# Altium PCB SolderingStation_ASCII.PcbDoc (part 1 of 2) (continued)
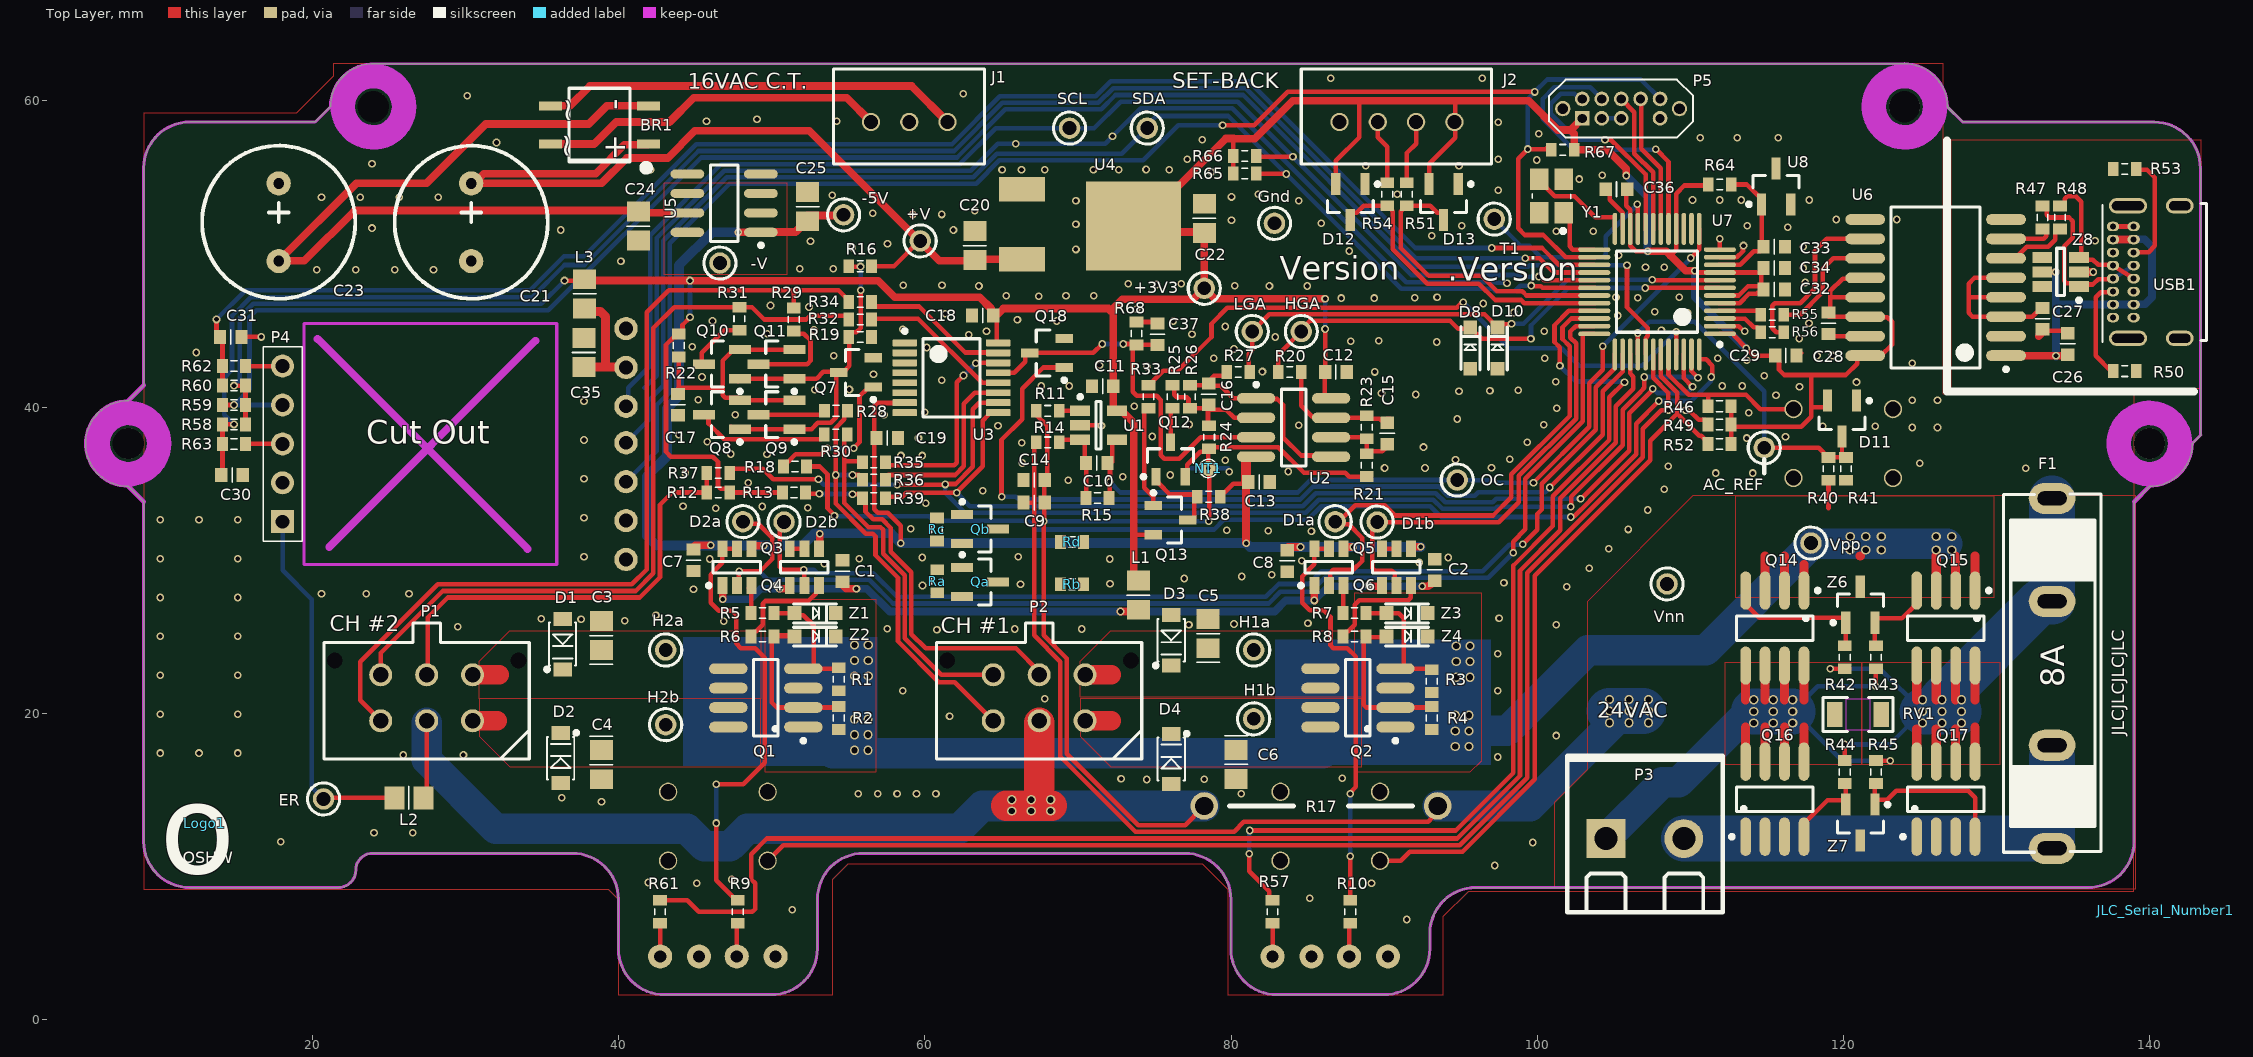
[diagram p0: Top Layer view]
## Components (designator, comment, footprint, x,y, rotation, side; value= is the part's Value field where it differs from the comment) (continued)
OC "Overcurrent" "PCBPIN - 0.9MM" 94.767,35.23 r0 top
OLED1 "OLED_Display" "OLED_DISPLAY_128X64_2.4INCH - NO MOUNTING HOLES" 73.976,37.617 r0 bottom locked
P1 "MOLEX-43045-0612" MOLEX-43045-0612 27.456,21.009 r0 top locked
P2 "MOLEX-43045-0612" MOLEX-43045-0612 67.461,21.009 r0 top locked
P3 "Terminal2" MOLEX-39544-3002 104.482,11.812 r270 top
P4 "Header, 5-Pin" HDR1X5S 18.046,32.513 r90 top locked
P5 "SWD Connector 2x5-Pin" SWD-2X5-JIG-HEADER 102.932,58.855 r0 top
Q1 "DMP4025LSD-13" SO-8_M 49.607,21.009 r90 top
Q2 "DMP4025LSD-13" SO-8_M 88.277,21.009 r90 top locked
Q3 "IMD2AT108" "SOT457_N - MIRROR" 47.713,29.54 r90 top
Q4 "IMD2AT108" "SOT457_N - MIRROR" 52.121,29.54 r90 top
Q5 "IMD2AT108" "SOT457_N - MIRROR" 86.383,29.54 r90 top
Q6 "IMD2AT108" "SOT457_N - MIRROR" 90.791,29.54 r90 top
Q7 "MMBT3904LT1G" SOT23_N 55.499,42.266 r0 top
Q8 "BSS84" SOT23_M 46.748,39.498 r0 top
Q9 "BSS84" SOT23_M 50.304,39.498 r0 top
Q10 "BSS84" SOT23_M 46.748,42.8 r0 top
Q11 "BSS84" SOT23_M 50.304,42.8 r0 top
Q12 "BSH103" SOT23_N 76.048,36.576 r270 top
Q13 "MMBT3906LT1G" SOT23_N 76.048,32.614 r180 top
Q14 "FDS4675" SO-8_M 115.505,25.565 r180 top
Q15 "FDS4675" SO-8_M 126.681,25.565 r180 top
Q16 "FDS4672A" SO-8_M 115.505,14.389 r0 top
Q17 "FDS4672A" SO-8_M 126.681,14.389 r0 top
Q18 "BSH103" SOT23_N 67.97,43.536 r0 top
Qa "DNP" SOT23_M 63.601,28.575 r180 top
Qb "DNP" SOT23_M 63.601,32.029 r180 top
R1 "4.7k" CR1608-0603_N 54.368,22.226 r270 top
R2 "4.7k" CR1608-0603_N 54.368,19.686 r270 top
R3 "4.7k" CR1608-0603_N 93.103,22.099 r270 top
R4 "4.7k" CR1608-0603_N 93.103,19.686 r270 top
R5 "4.7k" CR1608-0603_N 49.389,26.544 r0 top
R6 "4.7k" CR1608-0603_N 49.389,25.02 r0 top
R7 "4.7k" CR1608-0603_N 88.059,26.544 r0 top
R8 "4.7k" CR1608-0603_N 88.059,25.02 r0 top
R9 "470R" CR1608-0603_N 47.776,7.039 r90 top
R10 "470R" CR1608-0603_N 87.781,7.039 r90 top
R11 "10K" CR1608-0603_N 68.021,39.751 r180 top
R12 "10k" CR1608-0603_N 46.494,34.418 r0 top
R13 "10k" CR1608-0603_N 51.447,34.418 r180 top
R14 "10k" CR1608-0603_N 68.021,37.694 r180 top
R15 "22k" CR1608-0603_N 71.272,34.061 r0 top
R16 "10K" CR1608-0603_N 55.765,49.2 r180 top
R17 "OAR3-R050FI" OAR3-R050FI 85.864,13.946 r180 top
R18 "10K" CR1608-0603_N 51.511,36.119 r0 top
R19 "22K" CR1608-0603_N 55.765,44.577 r180 top
R20 "0R" CR1608-0603_N 83.82,42.291 r0 top
R21 "1k" CR1608-0603_N 88.861,36.208 r270 top
R22 "10R" CR1608-0603_N 43.917,44.018 r270 top
R23 "56k" CR1608-0603_N 88.861,38.674 r90 top
R24 "10k" CR1608-0603_N 78.56,38.027 r90 top
R25 "5.1k" CR1608-0603_N 76.175,40.665 r270 top
R26 "10k" CR1608-0603_N 77.318,40.665 r90 top
R27 "0R" CR1608-0603_N 80.467,42.291 r180 top
R28 "22k" CR1608-0603_N 54.19,39.752 r180 top
R29 "22k" CR1608-0603_N 51.435,45.72 r270 top
R30 "22k" CR1608-0603_N 54.178,38.202 r180 top
R31 "22k" CR1608-0603_N 47.879,45.771 r270 top
R32 "3.3K" CR1608-0603_N 55.765,45.721 r180 top
R33 "10K" CR1608-0603_N 74.6,40.665 r90 top
R34 "3.3K" CR1608-0603_N 55.765,46.864 r180 top
R35 "3.3K" CR1608-0603_N 56.667,36.398 r180 top
R36 "3.3K" CR1608-0603_N 56.667,35.255 r180 top
R37 "10K" CR1608-0603_N 46.494,35.688 r0 top
R38 "22K" CR1608-0603_N 78.537,34.138 r180 top
R39 "10K" CR1608-0603_N 56.667,34.037 r0 top
R40 "15K" CR1608-0603_N 119.011,35.961 r90 top
R41 "4.3k" CR1608-0603_N 120.154,35.961 r90 top
R42 "4.3k" CR1608-0603_N 120.077,23.66 r90 top
R43 "4.3k" CR1608-0603_N 122.109,23.66 r90 top
R44 "4.3k" CR1608-0603_N 120.077,16.167 r90 top
R45 "4.3k" CR1608-0603_N 122.109,16.167 r90 top
R46 "10K" CR1608-0603_N 111.899,40.057 r0 top
R47 "33R" CR1608-0603_N 132.993,52.378 r90 top
R48 "33R" CR1608-0603_N 134.136,52.378 r90 top
R49 "10K" CR1608-0603_N 111.899,38.863 r0 top
R50 "5.1k" CR1608-0603_N 138.365,42.345 r0 top
R51 "1K" CR1608-0603_N 91.464,53.902 r90 top
R52 "10K" CR1608-0603_N 111.899,37.593 r0 top
R53 "5.1k" CR1608-0603_N 138.365,55.553 r180 top
R54 "1K" CR1608-0603_N 90.194,53.902 r90 top
R55 "33R" CR1608-0603_N 115.34,46.028 r180 top
R56 "33R" CR1608-0603_N 115.34,44.885 r180 top
R57 "470R" CR1608-0603_N 82.701,7.039 r270 top
R58 "10K" CR1608-0603_N 14.871,38.863 r0 top
R59 "10K" CR1608-0603_N 14.871,40.133 r0 top
R60 "10K" CR1608-0603_N 14.871,41.403 r0 top
R61 "470R" CR1608-0603_N 42.696,7.039 r90 top
R62 "33R" CR1608-0603_N 14.871,42.673 r180 top
R63 "33R" CR1608-0603_N 14.871,37.593 r180 top
R64 "1K" CR1608-0603_N 111.911,54.537 r0 top
R65 "4.7k" CR1608-0603_N 80.885,55.246 r180 top
R66 "4.7k" CR1608-0603_N 80.885,56.389 r180 top
R67 "10K" CR1608-0603_N 101.662,56.798 r0 top
R68 "1M" CR1608-0603_N 73.812,44.806 r270 top
Ra "DNP" CR1608-0603_N 60.808,28.626 r270 top
Rb "DNP" CR1608-0603_N 69.6,28.423 r0 top
Rc "DNP" CR1608-0603_N 60.782,32.004 r270 top
Rd "DNP" CR1608-0603_N 69.6,31.191 r0 top
RV1 "V33MLA1206NHAUTO" VR3216-1206 120.94,19.917 r180 top
S1 "SW_PB-B3F1052" SW_MIN_PB-B3F1052 119.976,37.617 r180 bottom locked
S2 "SW_PB-B3F1052" SW_MIN_PB-B3F1052 46.476,12.617 r0 bottom locked
S3 "SW_PB-B3F1052" SW_MIN_PB-B3F1052 86.476,12.617 r0 bottom locked
SC1 "B32-2010" SW-CAP-B32-2010 119.976,37.617 r180 bottom locked
SC2 "B32-2010" SW-CAP-B32-2010 46.476,12.617 r180 bottom locked
SC3 "B32-2010" SW-CAP-B32-2010 86.476,12.617 r180 bottom locked
SCL "SCL" "PCBPIN - 0.9MM" 69.444,58.217 r90 top
SDA "SDA" "PCBPIN - 0.9MM" 74.524,58.217 r90 top
SP1 "6MM Spacer" "SPACER-2MM DIA X 6MM" 7.976,37.617 r180 bottom locked
SP2 "6MM Spacer" "SPACER-2MM DIA X 6MM" 23.976,59.617 r180 bottom locked
SP3 "6MM Spacer" "SPACER-2MM DIA X 6MM" 139.976,37.617 r180 bottom locked
SP4 "6MM Spacer" "SPACER-2MM DIA X 6MM" 123.976,59.617 r180 bottom locked
T1 "PTA4" "PCBPIN - 0.9MM" 97.18,52.273 r0 top
U1 "MCP6001UT-I/OT" SOT23-5_M 71.335,38.813 r180 top
U2 "TLV2186" SOIC127P600-8M 84.08,38.662 r0 top
U3 "74HC4052PW-Q100,11" TSSOP16_M 61.734,41.911 r0 top
U4 "NCP1117DT33T5G" TO-252 69.989,51.944 r180 top
U5 "MC79L05ACD" SOIC127P600-8N 46.887,53.316 r180 top
U6 "ADuM4160BRIZ" SOIC127P1030-16M 126.008,47.806 r180 top
U7 "MK20DX128VLF5" TSQFP50P900X900-48M 107.816,47.535 r90 top locked
U8 "LM4040BIM3-3.0/NOPB" SOT23_M 115.594,54.41 r270 top
USB1 "USB4085-GF-A" USB4085-GF-A 139.776,48.817 r180 top locked
Vnn "Power Ground" "PCBPIN - 0.9MM" 108.47,28.449 r90 top
Vpp "Power +V" "PCBPIN - 0.9MM" 117.868,31.116 r90 top
Y1 "16 MHz" CRYSTAL_SMD_3.2X2.5 100.916,53.785 r90 top
Z1 "BZT52C12S-7-F" SOD-323 52.818,26.544 r180 top
Z2 "BZT52C12S-7-F" SOD-323 52.818,25.02 r180 top
Z3 "BZT52C12S-7-F" SOD-323 91.488,26.544 r180 top
Z4 "BZT52C12S-7-F" SOD-323 91.488,25.02 r180 top
Z6 "DZ23C12" SOT23_M 121.093,27.089 r270 top
Z7 "AZ23C7V5" SOT23_M 121.093,12.865 r90 top
Z8 "CM1293A-04SO" "SOT457_M - 180" 134.174,48.822 r0 top

## Footprints (in the part's own frame and the unit in brackets; to place one, negate y for a bottom-side part, rotate by r counter-clockwise, add the part's x,y. Pads: shape width x height; smd on the part's side, far side on the other; paste and mask are expansions set on the pad)
CC2012-0805 [mm]
  rect 1.3x1.5 smd: 1(-0.95,0) 2(0.95,0)
  silkscreen extent -1.87,-0.75 0,0.75
CCNP1608-0603_N [mm]
  rect 0.8x0.9 smd: 1(-0.7,0) 2(0.7,0)
  silkscreen extent 0,-0.48 0,0.48
CCNP2012-0805 [mm]
  rect 1.3x1.5 smd: 1(-0.95,0) 2(0.95,0)
  silkscreen extent 0,-0.75 0,0.75
CR1608-0603_N [mm]
  rect 0.7x0.9 smd: 1(-0.75,0) 2(0.75,0)
  silkscreen extent -0.2,-0.35 0.2,0.35
CRYSTAL_SMD_3.2X2.5 [mm] "Crystal SMT low profile 3.2 x 2.5 SMD"
  rect 1.4x1.2 smd: 1(-1.1,-0.8) 2(1.1,-0.8) 3(1.1,0.8) 4(-1.1,0.8)
  silkscreen extent -2.39,-1.25 0.15,1.25
FB2012-0805 [mm] "Ferrite Bead 0805"
  rect 1.3x1.5 smd: 1(-0.95,0) 2(0.95,0)
  silkscreen extent 0,-0.75 0,0.75
FUSE_CLIP_5X20 [mil] "Fuse clip for 5x20 mm fuse PCB mounted"
  oval 80x120 hole 36 slot 75 at 90 deg: 1(-450,0) 1a(-185,0) 2(450,0) 2a(185,0)
  silkscreen extent -460,-126 461,125
HDR1X5S [mm] "Header; 5 Position; Straight"
  rect 1.5x1.5 hole 0.9: 1(0,0)
  round 1.5 hole 0.9: 2(2.54,0) 3(5.08,0) 4(7.62,0) 5(10.16,0)
  silkscreen extent -1.27,-1.27 11.43,1.27
JLC_SERIAL_NUMBER [mm] "JLC Serial Number"
JST-B3B-XH-AX [mm] "JST 3-pin connector PCB mount"
  round 1.2 hole 0.9: 1(-2.5,0) 2(0,0) 3(2.5,0)
  silkscreen extent -4.92,-3.45 4.95,2.75
JST-B4B-XH-AX [mm] "JST 4-pin connector PCB mount"
  round 1.2 hole 0.9: 1(-3.75,0) 2(-1.25,0) 3(1.25,0) 4(3.75,0)
  silkscreen extent -6.17,-3.45 6.25,2.75
"LED3MM-GREEN - 10MM PROUD" [mil] "LED 3mm through-hole"
  round 62 hole 31.5: A(-50,0) K(50,0)
  silkscreen extent -58,-75 53,75
"LED3MM-RED - 10MM PROUD" [mil] "LED 3mm through-hole"
  round 62 hole 31.5: A(-50,0) K(50,0)
  silkscreen extent -58,-75 53,75
MB1S [mm] "Bridge Rectifier Diode, Single Phase, 100 V, 800 mA, SOIC, 1.1 V, 4 Pins"
  rect 1.5x0.6 smd: 1(-3.2,1.25) 2(-3.2,-1.25) 3(3.2,-1.25) 4(3.2,1.25)
  silkscreen extent -3.25,-2.4 2,2.99
MOLEX-39544-3002 [mm] "Wire-To-Board Terminal Block"
  rect 2.54x2.54 hole 1.5: 1(0,0)
  round 2.54 hole 1.5: 2(0,5.08)
  silkscreen extent -5.4,-2.54 4.83,7.62
MOLEX-43045-0612 [mm] "Wire-To-Board Connector, With Polarizing Peg, 3 mm, 6 Contacts, Header, Micro-Fit 3.0 43045 Series"
  round 0.8 hole 1.02: 0(-6,2.44) 0(6,2.44)
  round 1.5 hole 1.02: 1(3,-1.5) 2(0,-1.5) 3(-3,-1.5) 4(3,1.5) 5(0,1.5) 6(-3,1.5)
  silkscreen extent -6.7,-4 6.7,4.9
NETTIEVIA [mm] "Net Tie (Short)"
  round 1 smd far side: 1(0,0)
  round 1 smd: 2(0,0)
  silkscreen extent -0.6,-0.6 0.6,0.6
OAR3-R050FI [mm] "Current Sense Resistor, 0.05 ohm, OAR Series, 3 W, Metal Strip, Radial Leaded, ± 1%"
  round 1.8 hole 1.2: 1(-7.62,0) 2(7.62,0)
  silkscreen extent -6,0 6,0
"OLED_DISPLAY_128X64_2.4INCH - NO MOUNTING HOLES" [mm] "2.4 inch OLED Display"
  round 1.524 hole 0.9: 1(-33.5,7.572) 2(-33.5,5.032) 3(-33.5,2.492) 4(-33.5,-0.048) 5(-33.5,-2.428) 6(-33.5,-4.968) 7(-33.5,-7.508)
  silkscreen extent -36,-21.5 36,21.5
OSHW [mm] "OSHW Logo"
"PCBPIN - 0.9MM" [mm]
  round 1.4 hole 0.9: 1(0,0)
  silkscreen extent -1.05,-1.05 1.05,1.05
RB5/10X13MM [mil]
  round 62 hole 28: 1(-100,0) 2(100,0)
  silkscreen extent -197,-197 197,197
SO-8_M [mm] "8-Pin Small Outline Integrated Circuit 1.27 mm Pitch, IPC Low Density"
  oval 0.7x2.5 smd: 1(-1.905,-2.45) 2(-0.635,-2.45) 3(0.635,-2.45) 4(1.905,-2.45) 5(1.905,2.45) 6(0.635,2.45) 7(-0.635,2.45) 8(-1.905,2.45)
  silkscreen extent -2.93,-2.57 2.5,0.8
SOD-123FL [mil] "SOD-123-Flat , 2-Leads, Body 2.7x1.65mm"
  rect 36x48 smd: A(64.5,0) K(-64.5,0)
  silkscreen extent -70,-35 55,45
SOD-323 [mm]
  rect 0.9x0.9 smd: A(1.347,0.004) K(-1.353,0.004)
  silkscreen extent -1.4,-0.6 1.4,0.64
SOIC127P600-8M [mm] "SOIC, 8-Leads, Body 4.9x3.9mm, Pitch 1.27mm, IPC Low Density"
  oval 2.5x0.7 smd: 1(-2.45,1.905) 2(-2.45,0.635) 3(-2.45,-0.635) 4(-2.45,-1.905) 5(2.45,-1.905) 6(2.45,-0.635) 7(2.45,0.635) 8(2.45,1.905)
  silkscreen extent -2.57,-2.5 0.8,2.93
SOIC127P600-8N [mm] "SOIC, 8-Leads, Body 4.9x3.9mm, Pitch 1.27mm, IPC Medium Density"
  oval 2.2x0.6 smd: 1(-2.4,1.905) 2(-2.4,0.635) 3(-2.4,-0.635) 4(-2.4,-1.905) 5(2.4,-1.905) 6(2.4,-0.635) 7(2.4,0.635) 8(2.4,1.905)
  silkscreen extent -2.53,-2.5 0.9,2.88
SOIC127P1030-16M [mm] "SOIC, 16-Leads, Body 10.3x7.5mm, Pitch 1.27mm, IPC Low Density"
  oval 2.6x0.7 smd: 1(-4.6,4.445) 2(-4.6,3.175) 3(-4.6,1.905) 4(-4.6,0.635) 5(-4.6,-0.635) 6(-4.6,-1.905) 7(-4.6,-3.175) 8(-4.6,-4.445) 9(4.6,-4.445) 10(4.6,-3.175) 11(4.6,-1.905) 12(4.6,-0.635) 13(4.6,0.635) 14(4.6,1.905) 15(4.6,3.175) 16(4.6,4.445)
  silkscreen extent -4.72,-5.25 2.9,5.47
SOT23-5_M [mm] "SOT23, 5-Leads, Body 2.9x1.6mm, Pitch 0.95mm, Lead Span 2.7mm, IPC Low Density"
  rect 1.3x0.7 smd: 1(1.2,-0.95) 2(1.2,0) 3(1.2,0.95) 4(-1.2,0.95) 5(-1.2,-0.95)
  silkscreen extent -0.15,-1.97 1.32,1.55
SOT23_M [mm] "SOT23, 3-Leads, Body 2.9x1.3mm, Pitch 0.95mm, Lead Span 2.3mm - IPC Low Density"
  rect 1.45x0.6 smd: 1(1.175,-0.95) 2(1.175,0.95) 3(-1.175,0)
  silkscreen extent -0.7,-1.9 1.29,1.5
SOT23_N [mm] "SOT23, 3-Leads, Body 2.9x1.3mm, Pitch 0.95mm, Lead Span 2.3mm - IPC Medium Density"
  rect 1.15x0.6 smd: 1(1.125,-0.95) 2(1.125,0.95) 3(-1.125,0)
  silkscreen extent -0.7,-1.9 1.25,1.5
"SOT457_M - 180" [mm] "SOT23, 6-Leads, Body 2.9x1.5mm, Pitch 0.95mm, Lead Span 2.8mm, IPC Low Density"
  rect 1.3x0.7 smd: 1(1.2,-0.95) 2(1.2,0) 3(1.2,0.95) 4(-1.2,0.95) 5(-1.2,0) 6(-1.2,-0.95)
  silkscreen extent -0.25,-1.97 1.33,1.55
"SOT457_N - MIRROR" [mm] "SOT23, 6-Leads, Body 2.9x1.5mm, Pitch 0.95mm, Lead Span 2.8mm, IPC Medium Density"
  rect 1.1x0.65 smd: 1(-1.2,-0.95) 2(-1.2,0) 3(-1.2,0.95) 4(1.2,0.95) 5(1.2,0) 6(1.2,-0.95)
  silkscreen extent -1.32,-1.55 0.38,1.95
"SPACER-2MM DIA X 6MM" [mm]
  round 2 hole 2.05: 0(0,0)
  Top Layer keep-out circle w1.6: c0,0 r2
  Bottom Layer keep-out circle w1.6: c0,0 r2
  silkscreen extent -3,-3 3,3
SW-CAP-B32-2010 [mm] "Switch cap for small push-button switch 6mm dia."
  silkscreen extent -3,-3 3,3
SW_MIN_PB-B3F1052 [mm] "Miniature PCB Push Button projected plunger"
  round 1.2 hole 1: 1(3.25,-2.25) 1b(-3.25,-2.25) 2(3.25,2.25) 2b(-3.25,2.25)
  silkscreen extent -3,-2.77 3,2.78
SWD-2X5-JIG-HEADER [mm] "Connector; SWD; 2x5 Position"
  round 1 hole 0.7: 0(-1.27,0.635) 0(6.35,0.635)
  rect 0.96x0.96 hole 0.6: 1(0,0)
  round 0.96 hole 0.6: 2(0,1.27) 3(1.27,0) 4(1.27,1.27) 5(2.54,0) 6(2.54,1.27) 8(3.81,1.27) 9(5.08,0) 10(5.08,1.27)
  silkscreen extent -2.16,-1.26 7.24,2.53
TO-252 [mm] "TO-252 Package"
  rect 3x1.6 smd: 1(3.64,-2.285) 3(3.64,2.285)
  rect 6.2x5.8 smd: 4(-3.64,0.127)
TSQFP50P900X900-48M [mm] "Thin QFP, 48-Leads, Body 7x7mm, Pitch 0.5mm, IPC Low Density"
  oval 0.3x2.1 smd: 1(-2.75,-4.1) 2(-2.25,-4.1) 3(-1.75,-4.1) 4(-1.25,-4.1) 5(-0.75,-4.1) 6(-0.25,-4.1) 7(0.25,-4.1) 8(0.75,-4.1) 9(1.25,-4.1) 10(1.75,-4.1) 11(2.25,-4.1) 12(2.75,-4.1) 25(2.75,4.1) 26(2.25,4.1) 27(1.75,4.1) 28(1.25,4.1) 29(0.75,4.1) 30(0.25,4.1) 31(-0.25,4.1) 32(-0.75,4.1) 33(-1.25,4.1) 34(-1.75,4.1) 35(-2.25,4.1) 36(-2.75,4.1)
  oval 2.1x0.3 smd: 13(4.1,-2.75) 14(4.1,-2.25) 15(4.1,-1.75) 16(4.1,-1.25) 17(4.1,-0.75) 18(4.1,-0.25) 19(4.1,0.25) 20(4.1,0.75) 21(4.1,1.25) 22(4.1,1.75) 23(4.1,2.25) 24(4.1,2.75) 37(-4.1,2.75) 38(-4.1,2.25) 39(-4.1,1.75) 40(-4.1,1.25) 41(-4.1,0.75) 42(-4.1,0.25) 43(-4.1,-0.25) 44(-4.1,-0.75) 45(-4.1,-1.25) 46(-4.1,-1.75) 47(-4.1,-2.25) 48(-4.1,-2.75)
  silkscreen extent -3.57,-4.22 2.65,2.65
TSSOP16_M [mm] "SOP, 16-Leads, Body 5.1x4.5mm, Pitch 0.65mm, IPC Low Density"
  rrect22% 1.6x0.45 smd: 1(-3.05,2.275) 2(-3.05,1.625) 3(-3.05,0.975) 4(-3.05,0.325) 5(-3.05,-0.325) 6(-3.05,-0.975) 7(-3.05,-1.625) 8(-3.05,-2.275) 9(3.05,-2.275) 10(3.05,-1.625) 11(3.05,-0.975) 12(3.05,-0.325) 13(3.05,0.325) 14(3.05,0.975) 15(3.05,1.625) 16(3.05,2.275)
  silkscreen extent -3.17,-2.55 1.85,3.17
USB4085-GF-A [mm] "USB-C Connector"
  oval 0.8x0.62 hole 0.4: A1(2.18,2.975) A4(2.18,2.125) A5(2.18,1.275) A6(2.18,0.425) A7(2.18,-0.425) A8(2.18,-1.275) A9(2.18,-2.125) A12(2.18,-2.975) B1(0.83,-2.975) B4(0.83,-2.125) B5(0.83,-1.275) B6(0.83,-0.425) B7(0.83,0.425) B8(0.83,1.275) B9(0.83,2.125) B12(0.83,2.975)
  oval 1.8x1 hole 0.6 slot 1.4 at 0 deg: SH(-2.18,4.325) SH(-2.18,-4.325)
  oval 2.5x1 hole 0.6 slot 2.1 at 0 deg: SH(1.2,4.325) SH(1.2,-4.325)
  silkscreen extent -3.92,-4.47 2.88,4.57
VR3216-1206 [mm] "Varistor 1206"
  rect 1.02x1.65 smd: 1(-1.52,0) 2(1.52,0)
  Top Layer keep-out region: -0.8,-1 0.8,-1 0.8,1 -0.8,1
  silkscreen extent -2.3,-1.1 2.3,1.1

## Part data
+3V3 +V -5V -V AC_REF D1a D1b D2a D2b ER Gnd H1a H1b H2a H2b HGA LGA OC SCL SDA T1 Vnn Vpp: library part TP, "Test Point"
BR1: "Bridge Rectifier Diode, Single Phase, 100 V, 800 mA, SOIC, 1.1 V, 4 Pins"
C1 C2 C7 C8 C9 C11 C12 C13 C14 C17 C18 C19 C26 C27 C28 C29 C33 C34 C36: library part Cap_CCNP_0603_100nF, "Capacitor non-polar SMT 0603"
C3 C4 C5 C6: library part Cap_CC_0805, "Capacitor SMT 0805"
C10 C15 C16 C37: library part Cap_CCNP_0603_100pF, "Capacitor non-polar SMT 0603"
C20 C24: library part Cap_CCNP_0805_2u2F, "Capacitor non-polar SMT 0805"
C21 C23: library part Cap-RB5/10x16MM
C22 C25 C35: library part Cap_CCNP_0805_10uF, "Capacitor non-polar SMT 0805"
C30 C31: library part Cap_CCNP_0603_1nF, "Capacitor non-polar SMT 0603"
C32: library part Cap_CCNP_0603_2u2F, "Capacitor non-polar SMT 0603"
D1 D2 D3 D4: "Diodes - General Purpose, 1kV 1A 1.1V 1A SOD-123FL"
D5 D6: library part LED_3MM_GREEN, "3mm Green LED"
D8 D10: "Switching Diode 100V 150mA 1.25V@150mA 4ns SOD-323"
D11 D12 D13: "Dual Series low-leakage switching diodes, 3-Pin SOT-23"
D14 D15: library part LED_3MM_RED, "3mm Red LED"
F1: library part FUSE_CLIP_5x20, "5x20mm fuse clip PCB Mount"
J1: library part JST-B3B-XH-A
J2: library part JST-B4B-XH-A
L1 L2 L3: library part "Ferrite Bead 0805", "Ferrite Bead SMT 0805, TDK MPZ2012S102AT, 0.15OHM, 1.5A"
OLED1: library part OLED_Display_128x64_2.4inch, "OLED Display 128x64 pixels, 2.4inch"
P1 P2: "Wire-To-Board Connector, With Polarizing Peg, 3 mm, 6 Contacts, Header, Micro-Fit 3.0 43045 Series"
P3: "MULTICOMP  MC24366 Wire-To-Board Terminal Block"
P4: library part "Header 1x5"
P5: library part SWD2X5_JIG
Q1 Q2: "P-Channel dual MOSFET, 40 V, 7.6 A, 0.018 ohm, SOIC, Surface Mount"
Q3 Q4 Q5 Q6: "Pre-Biased NPN and PNP pair, 50 V, 100 mA, 22 kohm, 22 kohm"
Q7: "General Purpose Transistor, NPN Silicon, 3-Pin SOT-23, Pb-Free, Tape and Reel"
Q8 Q9 Q10 Q11: "P-Channel Enhancement Mode FET -0.13 A, -50 V,  RDS(ON) = 10R at VGS = -5 V"
Q12 Q18: "N-channel enhancement mode FET, , 30 V, 850 mA, 0.4 ohm, SOT23"
Q13: "General Purpose Transistor, PNP Silicon, 3-Pin SOT-23, Pb-Free, Tape and Reel"
Q14 Q15: "P-Channel Power MOSFET, 11 A, 40 V, RDS(ON) = 0.013 ohm @ VGS = -10   VRDS(ON) = 0.017 ohm @ VGS =   -4.5 VC"
Q16 Q17: "N-Channel Power MOSFET, 11 A, 40 V. RDS(ON)  = .013 ohm @ VGS = 4.5 V"
Qa Qb: library part MMBT3904LT1G, "SOT23"
R1 R2 R3 R4 R5 R6 R7 R8 R65 R66: library part Res_CR0603_4k7, "Resistor SMT 0603"
R9 R10 R57 R61: library part Res_CR0603_470R, "Resistor SMT 0603"
R11 R12 R13 R14 R16 R18 R24 R26 R33 R37 R39 R46 R49 R52 R58 R59 R60 R67: library part Res_CR0603_10k, "Resistor SMT 0603"
R15 R19 R28 R29 R30 R31 R38: library part Res_CR0603_22k, "Resistor SMT 0603"
R17: "Current Sense Resistor, 0.05 ohm, OAR Series, 3 W, Metal Strip, Radial Leaded, 1%"
R20 R27: library part Res_CR0603_0R, "Resistor SMT 0603"
R21 R51 R54 R64: library part Res_CR0603_1k, "Resistor SMT 0603"
R22: library part Res_CR0603_10R, "Resistor SMT 0603"
R23: library part Res_CR0603_56k, "Resistor SMT 0603"
R25 R50 R53: library part Res_CR0603_5k1, "Resistor SMT 0603"
R32 R34 R35 R36: library part Res_CR0603_3k3, "Resistor SMT 0603"
R40: library part Res_CR0603_15k, "Resistor SMT 0603"
R41 R42 R43 R44 R45: library part Res_CR0603_4k3, "Resistor SMT 0603"
R47 R48 R55 R56 R62 R63: library part Res_CR0603_33R, "Resistor SMT 0603"
R68: library part Res_CR0603_1M, "Resistor SMT 0603"
Ra Rb Rc Rd: library part Res_CR0603, "Resistor SMT 0603"
RV1: "V33MLA1206NH - TVS Varistor, 26 V, 33 V, MLA Series, 75 V, 1206 [3216 Metric], Multilayer Varistor (MLV)"
S1 S2 S3: "Switch miniature push-button"
SC1 SC2 SC3: library part "Switch-Cap - B32-2010", "Switch Cap"
SP1 SP2 SP3 SP4: library part Spacer-6mm
U1: "Op-Amp, Single supply R-R in/out"
U2: "Dual Precision,Rail-to-Rail Input and Output, 4.5-24V, Zero-Drift OperationalAmplifier"
U3: "Analog Multiplexer / Demultiplexer, 4:1, 2 Circuits, 225 ohm, 2V to 10V, TSSOP-16"
U4: "IC REG LINEAR +3V3 1A TO252-3"
U5: "IC REG LINEAR -5V 100MA SOIC-8"
U6: "Full/Low Speed 5 kV USB Digital Isolator"
U7: "Kinetis K20: 50MHz Cortex-M4 Performance MCU, 160KB Flash, 16KB SRAM, Full-Speed USB, 48-LQFP"
U8: library part LM4040BIM3-2.5/NOPB, "IC 2.5V VREF SHUNT 0.2% SOT23-3"
USB1: "USB-C, USB 2.0 Receptacle Connector 16 Position Through Hole, Right Angle"
Y1: library part "Crystal 16MHz", "Crystal SMD 3.2 x 2.5 x 0.7 mm"
Z1 Z2 Z3 Z4: "Surface Mount Zener Diode, 12-13 V, -65 to 150 degC, SOD-123"
Z6: library part DZ23Cxx, "Dual silicon planar Zener diodes"
Z7: library part AZ23Cxx, "Dual silicon planar Zener diodes"
Z8: "Ultra low capacitance quadruple rail-to-rail ESD protection"

## Via types
v1: diameter 0.5, hole 0.3, Top Layer to Bottom Layer, tented both sides, 433 vias
v2: diameter 0.6, hole 0.4, Top Layer to Bottom Layer, tented both sides, 67 vias
v3: diameter 0.75, hole 0.3, Top Layer to Bottom Layer, tented both sides, 1 vias

## Nets (pads, with @x,y where several pads share a name; then routed paths per layer and width w, separated by ;. In a path a pad name is that pad's centre, name@x,y a point inside that pad or via, vN(x,y) a via of type N, cw(c..) or ccw(c..) an arc to the next point about the centre after c; other vN are vias at no path point)
5V_USB: C26.2 U6.1 USB1.A4 USB1.A9 USB1.B4 USB1.B9 Z8.5 | length 24.4
  Top Layer w0.3: Z8.5@132.974,48.822 v1(133.863,48.822)
  Top Layer w0.508: U6.1@130.508,43.361 130.525,43.344 C26.2@134.499,43.344 ; C26.2@134.464,43.308 C26.2@134.499,43.344 ; C26.2@134.517,43.361 C26.2@134.499,43.344 ; C26.2@134.525,43.344 C26.2@134.499,43.344 ; USB1.A9@137.596,50.942 USB1.B4@138.945,50.942
  Bottom Layer w0.508: v1(133.863,48.822) 133.863,46.517 ; v1@133.87,43.308 133.87,46.51 133.863,46.517 ; USB1.A9@137.596,50.942 USB1.B4@138.945,50.942 ; USB1.B9@138.945,46.692 USB1.A4@137.596,46.692 134.038,46.692 133.863,46.517 ; USB1.B9@138.967,46.714 139.685,46.714 140.143,47.171 140.143,50.473 139.652,50.964 USB1.B4@138.967,50.964
  other v1: 133.87,43.343
+3V3: +3V3.1 C11.1 C12.1 C18.1 C22.2 C28.2 C29.2 C32.2 C34.2 C36.2 D11.2 D12.2 D13.2 J2.1 L1.1 L3.1 P5.1 Q13.2 R12.2 R13.2 R22.1 R46.2 R49.2 R52.2 R58.2 R59.2 R60.2 R64.1 R65.2 R66.2 R67.2 U1.5 U2.8 U3.16 U4.4 U6.12 U6.13 U6.14 U6.16 U7.1 U7.5 U7.6 U7.9 U7.16 U7.22 | length 265.4
  Top Layer w0.3: v1(14.871,41.403) R60.2@15.621,41.403 R59.2@15.621,40.133 R58.2@15.621,38.863 ; v1(36.461,48.261) L3.1@37.77,48.261 ; v1@44.642,45.861 44.642,45.837 44.163,45.358 44.163,44.968 43.963,44.768 R22.1@43.917,44.768 43.717,44.568 43.598,44.568 43.089,44.059 43.089,37.072 43.407,36.754 46.152,36.754 46.482,36.424 46.482,34.845 46.658,34.669 47.044,34.669 47.244,34.469 R12.2@47.244,34.418 R13.2@50.697,34.418 ; C18.1@64.616,45.975 64.684,45.907 U3.16@64.684,44.186 ; 73.621,33.02 73.635,33.02 ; 73.635,31.75 73.721,31.664 Q13.2@74.923,31.664 ; R65.2@80.135,55.246 R66.2@80.135,56.389 80.135,57.519 80.149,57.532 ; U2.8@86.117,40.585 C12.1@86.117,42.052 ; C12.1@86.131,42.067 v1(86.131,45.096) ; D12.2@86.831,54.519 D12.2@86.831,54.569 86.831,56.085 88.378,57.632 88.378,59.998 ; D13.2@92.927,54.519 D13.2@92.927,54.569 92.927,55.883 94.627,57.583 94.627,59.998 ; 95.829,59.981 95.846,59.998 ; C36.2@106.018,54.23 105.815,54.027 105.815,53.14 106.066,52.889 106.066,50.538 106.438,50.166 v1(107.2,50.166) ; 108.698,49.887 109.066,50.254 109.066,53.937 109.601,54.472 111.161,54.472 R64.1@111.161,54.437 ; v1@110.438,48.785 114.324,48.785 ; U7.5@111.866,46.785 113.217,46.785 113.82,47.389 114.326,47.389 114.617,47.679 114.416,47.88 113.753,47.88 113.158,47.285 112.816,47.285 U7.6@111.916,47.285 U7.6@111.866,47.285 ; U7.1@111.916,44.785 112.816,44.785 112.816,44.677 v1(113.651,43.842) 114.132,43.361 115.379,43.361 115.429,43.361 115.779,43.011 115.779,42.438 116.125,42.091 117.88,42.091 ; R52.2@112.649,37.771 R46.2@112.649,40.057 ; R49.2@112.661,38.916 112.854,38.723 117.233,38.723 117.88,39.37 117.88,40.006 ; C32.2@114.617,47.753 C34.2@114.617,49.076 ; D11.2@118.95,39.988 117.898,39.988 117.88,40.006 ; C28.2@119.011,45.901 U6.14@121.408,45.901 121.436,45.873 122.861,45.873 123.165,45.569 123.165,44.087 122.439,43.361 U6.16@121.408,43.361 121.017,43.361 120.879,43.223 120.879,42.829 120.141,42.091 117.88,42.091 ; C28.2@119.011,46.317 119.138,46.444 119.138,47.245 ; U6.12@120.808,48.441 120.75,48.384 119.936,48.384 119.138,47.586 119.138,47.245 ; U6.13@121.408,47.171 119.212,47.171 119.138,47.245 ; 117.88,40.006 117.88,42.091
  Top Layer w0.5: L3.1@37.77,48.346 37.856,48.26 v1(44.653,48.26) 44.661,48.252 56.955,48.252 58.039,47.168 63.584,47.168 64.316,46.437 64.316,46.225 C18.1@64.365,46.225 ; C18.1@64.616,45.975 64.666,45.975 65.121,46.431 67.691,46.431 ; 71.984,46.431 72.298,46.117 72.298,43.339 72.298,39.863 72.398,39.763 U1.5@72.535,39.763 72.635,39.663 72.935,39.663 73.635,38.963 73.635,33.02 73.635,31.75 L1.1@73.635,28.651 ; 80.149,57.532 81.546,57.532 84.012,59.998 88.378,59.998 94.627,59.998 95.846,59.998 99.426,59.998 101.331,58.093 102.17,58.093 ; P5.1@102.932,58.855 102.17,58.093 ; v1(105.803,55.119) 105.803,55.565 104.57,56.798 R67.2@102.412,56.798 102.412,57.851 102.17,58.093 ; v1(107.2,50.166) 108.419,50.166 108.698,49.887 109.689,48.896 v1(110.273,48.896)
  Top Layer w0.508: 67.691,46.431 71.984,46.431 ; 72.136,46.279 72.898,47.041 77.531,47.041 +3V3.1@78.244,47.753 ; U4.4@74.01,51.436 78.183,51.436 C22.2@78.244,51.375 +3V3.1@78.244,47.753 ; U4.4@76.572,54.463 79.641,57.532 80.149,57.532 ; C12.1@86.117,42.052 C12.1@86.131,42.067 ; v1(86.131,47.08) 78.917,47.08 +3V3.1@78.244,47.753
  Top Layer w0.635: U2.8@86.117,40.585 86.134,40.567 U2.8@86.48,40.567
  Bottom Layer w0.3: v1(14.871,41.403) 15.252,41.784 15.252,45.848 16.141,46.737 34.937,46.737 v1(36.461,48.261) ; v1(44.653,45.872) v1(44.653,48.26) ; v1(86.131,45.096) v1(86.131,47.08)
  Bottom Layer w0.5: v1(110.273,48.896) 110.273,47.16 113.591,43.842 v1(113.651,43.842)
  Bottom Layer w0.508: v1(105.803,55.119) 107.2,53.722 v1(107.2,50.166)
+3V3_I: C1.1 C2.1 L1.2 Q3.3 Q4.3 Q5.3 Q6.3 | length 53.8
  Top Layer w0.5: Q3.3@46.763,28.34 46.787,28.316 v1(46.787,27.457) ; v1(50.495,28.143) 51.096,28.143 51.171,28.218 Q4.3@51.171,28.34 ; C1.1@54.61,28.436 54.61,28.393 54.86,28.143 v1(55.524,28.143) ; v1(72.771,26.645) L1.2@73.708,26.645 ; Q5.3@85.433,28.34 v1(85.433,27.369) v1@85.446,27.356 ; v1(89.027,28.296) 89.796,28.296 Q6.3@89.841,28.34 ; v1(92.481,28.296) 92.874,28.296 92.969,28.39 93.019,28.39 93.269,28.64 C2.1@93.269,28.69
  Bottom Layer w0.5: v1(46.787,27.457) 48.59,27.457 49.276,28.143 v1(50.495,28.143) v1(55.524,28.143) 56.198,28.143 57.696,26.645 v1(72.771,26.645) 82.855,26.645 83.579,27.369 v1(85.433,27.369) 86.36,28.296 v1(89.027,28.296) v1(92.481,28.296)
+9V: +V.1 BR1.1 C20.2 C21.1 R16.1 U4.3 | length 57.2
  Top Layer w0.3: R16.1@56.63,49.2 57.98,49.2 59.631,50.851 +V.1@59.69,50.851
  Top Layer w0.5: C21.1@30.365,54.611 C21.1@30.56,54.611 ; BR1.1@41.947,57.171 41.902,57.127 40.373,57.127 38.493,55.246 31.195,55.246 C21.1@30.56,54.611 ; U4.3@66.349,49.659 63.32,49.659 C20.2@63.258,49.597 63.258,49.555 60.926,49.555 59.631,50.851 52.441,58.04 44.97,58.04 43.192,56.262 40.525,56.262 38.874,54.611 C21.1@30.56,54.611
-5V: -5V.1 C7.1 C8.1 C13.1 C19.1 C25.2 Q3.6 Q4.6 Q5.6 Q6.6 R38.1 U2.4 U3.7 U5.1 | length 107
  Top Layer w0.3: U3.7@58.379,40.262 56.899,40.262 56.693,40.056 56.693,37.974 56.693,33.325 56.926,33.091 57.575,33.091 58.42,32.246 v1(58.42,31.115) ; U3.7@58.76,40.262 U3.7@58.784,40.286 ; R38.1@79.287,34.138 79.287,34.238 79.487,34.438 79.587,34.438 80.145,34.996 80.859,34.996 C13.1@80.969,35.106
  Top Layer w0.5: C7.1@44.882,30.847 44.997,30.963 v1(45.999,30.963) ; Q3.6@48.663,30.74 48.663,30.862 48.738,30.937 v1(49.479,30.937) ; Q4.6@53.071,30.74 53.137,30.806 v1(53.137,31.725) ; C8.1@83.668,30.797 83.732,30.861 v1(84.531,30.861) ; Q5.6@87.333,30.74 87.333,30.786 87.408,30.861 v1(87.973,30.861) ; Q6.6@91.741,30.74 91.741,30.811 91.816,30.886 v1(92.38,30.886)
  Top Layer w0.508: v1(47.814,51.411) U5.1@49.287,51.411 49.305,51.429 51.542,51.429 51.84,51.726 51.84,51.741 52.236,52.137 C25.2@52.336,52.137 ; C25.2@52.336,52.518 -5V.1@54.622,52.518 ; C13.1@80.969,35.106 80.969,31.121 v1(80.975,31.115)
  Top Layer w0.635: C13.1@80.969,35.106 U2.4@80.969,36.74
  Bottom Layer w0.635: v1(47.814,51.411) 46.087,51.411 43.942,49.266 43.942,40.716 43.147,39.921 43.147,36.787 41.843,35.483 41.843,31.576 42.456,30.963 51.994,30.963 52.781,31.75 57.785,31.75 v1(58.42,31.115) 58.421,31.116 80.974,31.116 v1(80.975,31.115) 81.229,30.861 v1(84.531,30.861) v1(87.973,30.861) v1@92.38,30.861
-9V: -V.1 BR1.2 C23.2 C24.2 U5.2 U5.3 U5.6 U5.7 | length 56.4
  Top Layer w0.5: C23.2@17.792,49.531 C23.2@17.807,49.547 ; C24.2@41.287,52.681 U5.7@44.487,52.681 ; C24.2@41.287,52.767 41.221,52.833 22.745,52.833 19.458,49.547 C23.2@17.807,49.547 ; BR1.2@41.947,59.671 39.235,59.671 38.048,58.485 31.317,58.485 27.444,54.611 22.872,54.611 C23.2@17.807,49.547
AC24a: P3.1 Q14.5 Q14.6 Q14.7 Q14.8 Q16.5 Q16.6 Q16.7 Q16.8 R43.1 R45.2 RV1.2 | length 49.9
  Top Layer w0.3: R45.2@122.109,16.892 v1(123.05,16.892) ; v1(122.109,21.771) R43.1@122.109,22.91
  Top Layer w0.6: Q16.8@113.6,16.789 113.6,19.088 ; 113.6,20.866 Q14.5@113.6,23.165 ; Q16.7@114.87,16.789 114.87,19.088 ; 114.87,20.866 114.87,20.882 Q14.6@114.87,23.165 ; Q16.6@116.14,16.789 116.14,19.088 ; 116.14,20.866 Q14.7@116.14,23.165 ; Q16.5@117.41,16.789 117.41,19.088 ; 117.41,20.866 Q14.8@117.41,23.165
  Bottom Layer w0.3: v1(122.109,21.771) 118.324,21.771 v2(116.673,20.12) 119.901,16.892 v1(123.05,16.892)
  Bottom Layer w2: P3.1@104.482,11.812 108.101,15.431 ; 108.151,15.482 109.218,15.482 113.857,20.12 v2(114.133,20.12)
  Bottom Layer w3: v2(114.133,20.12) v2(115.403,20.12) v2(116.673,20.12)
  other v2: 114.133,19.358 115.403,19.358 116.673,19.358 114.133,20.882 115.403,20.882 116.673,20.882
AC24b: F1.2 F1.2a Q15.5 Q15.6 Q15.7 Q15.8 Q17.5 Q17.6 Q17.7 Q17.8 R42.1 R44.2 RV1.1 | length 52.6
  Top Layer w0.3: v1(119.136,22.91) R42.1@120.077,22.91 ; v1(120.077,17.961) R44.2@120.077,16.917 R44.2@120.177,16.917 ; R42.1@120.377,22.864 R42.1@120.377,22.964
  Top Layer w0.6: Q17.8@124.776,16.789 124.776,17.589 124.776,18.977 ; Q17.8@124.776,16.789 Q17.8@124.776,17.589 ; 124.776,20.882 Q15.5@124.776,23.165 ; Q17.7@126.046,16.789 126.046,18.977 ; 126.046,20.882 Q15.6@126.046,23.165 ; Q17.6@127.316,16.789 127.316,18.977 ; Q15.7@127.316,23.165 127.316,20.882 ; Q17.5@128.586,16.789 128.586,19.088 ; 128.586,20.866 Q15.8@128.586,23.165
  Bottom Layer w0.3: v1(119.136,22.91) 122.367,22.91 v2(125.157,20.12) 122.998,17.961 v1(120.077,17.961)
  Bottom Layer w3: v2(125.157,20.12) v2@127.52,20.12 ; v2(126.427,20.882) 132.851,27.306 F1.2a@133.616,27.306 ; F1.2a@133.616,27.79 F1.2@133.616,34.037
  other v2: 125.157,19.358 126.427,19.358 127.697,19.358 126.427,20.12 127.697,20.12 125.157,20.882 127.697,20.882
AC_REF: AC_REF.1 D11.3 R40.2 R41.2 U7.40 | length 22.3
  Top Layer w0.254: D11.3@119.9,38.069 119.9,36.788 R41.2@119.976,36.711
  Top Layer w0.3: v1(106.565,44.832) 106.566,44.831 U7.40@106.566,43.485 ; AC_REF.1@114.82,37.339 118.383,37.339 118.711,37.011 118.711,36.911 118.911,36.711 R40.2@119.011,36.711 R41.2@119.976,36.711
  Bottom Layer w0.3: v1(106.565,44.832) 107.3,45.568 110.274,45.568 114.82,41.022 AC_REF.1@114.82,37.339